# KiCad board Lynx-MK1-MEM.kicad_pcb
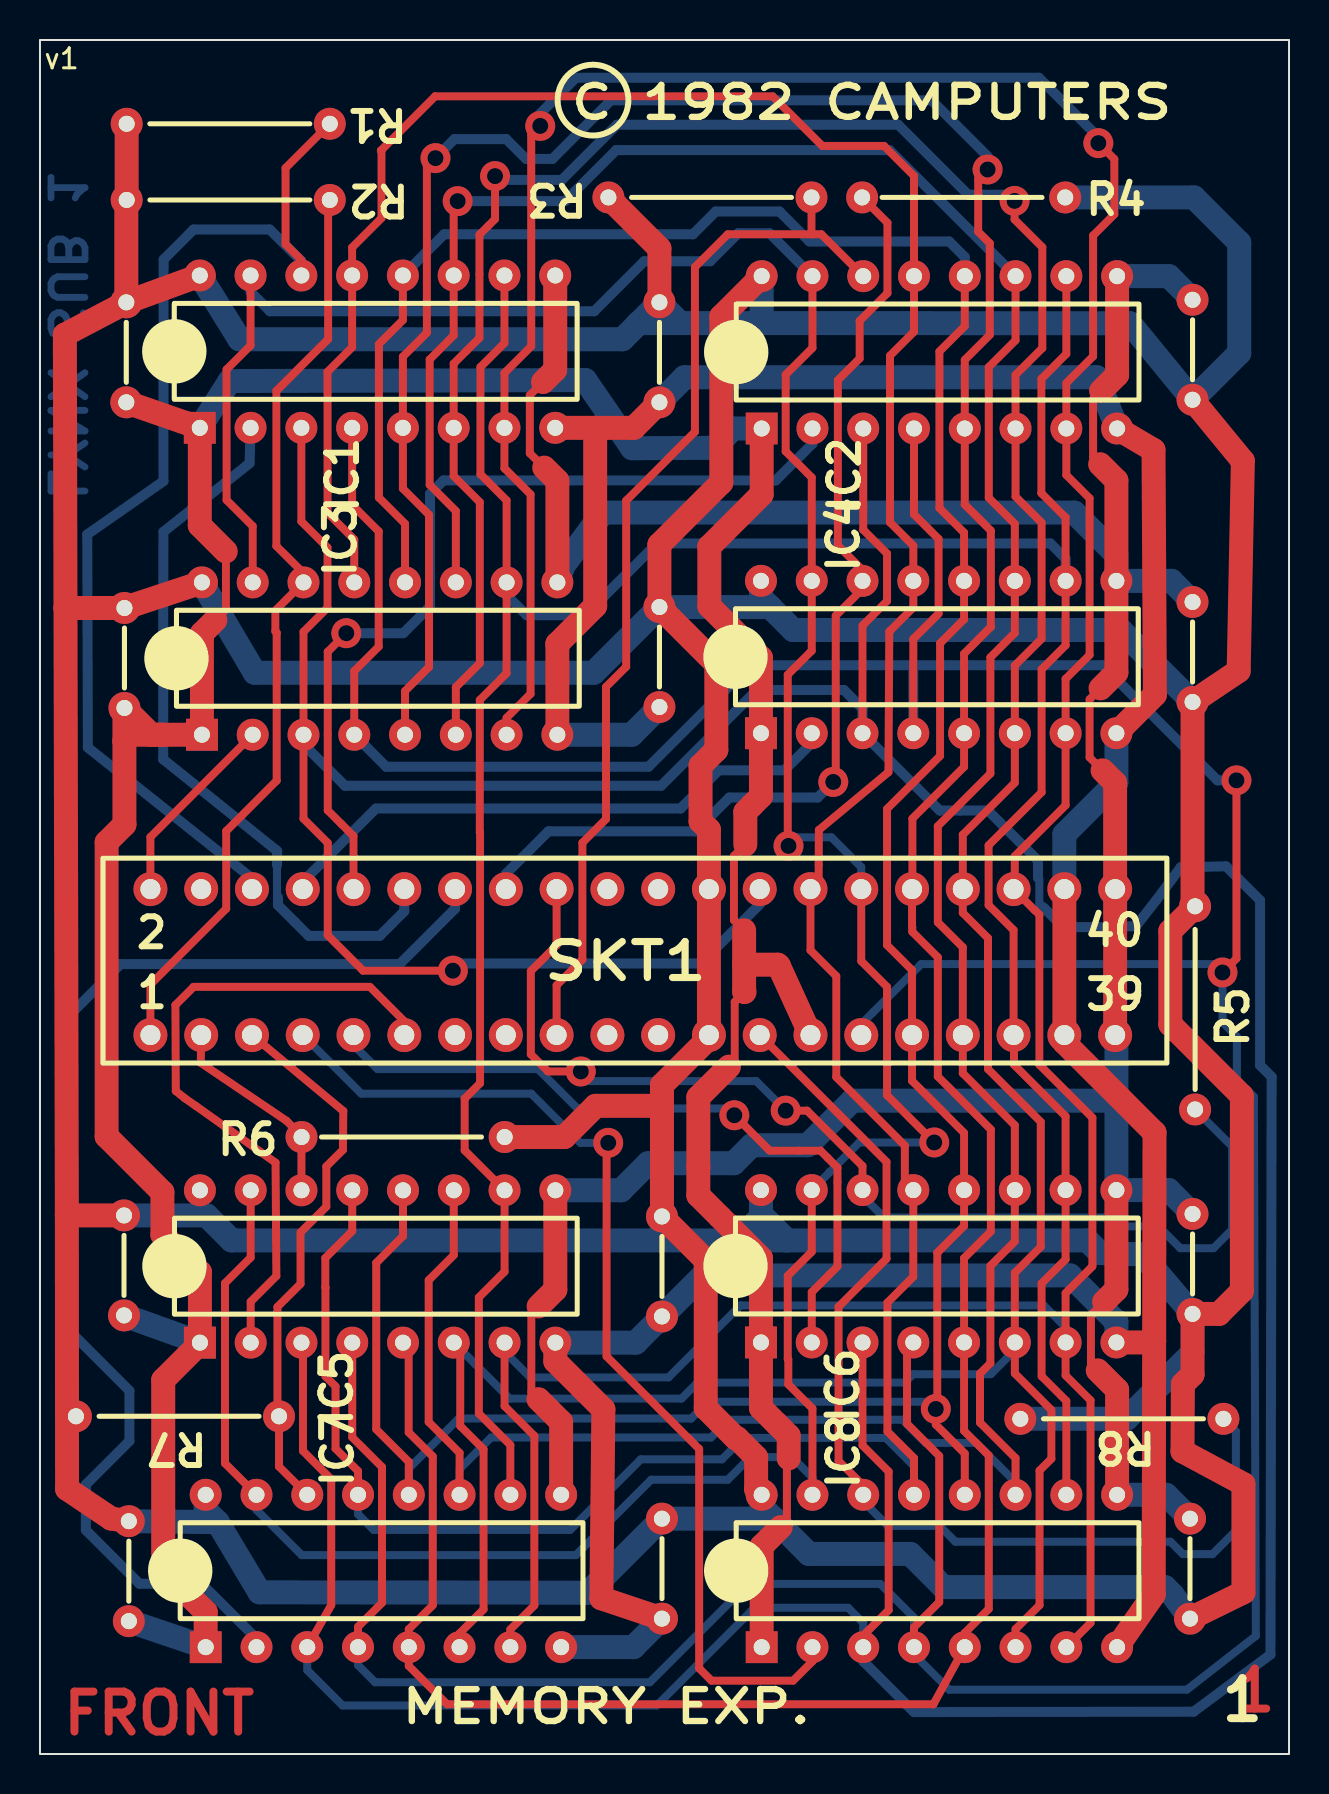
[diagram p0: board, top side]
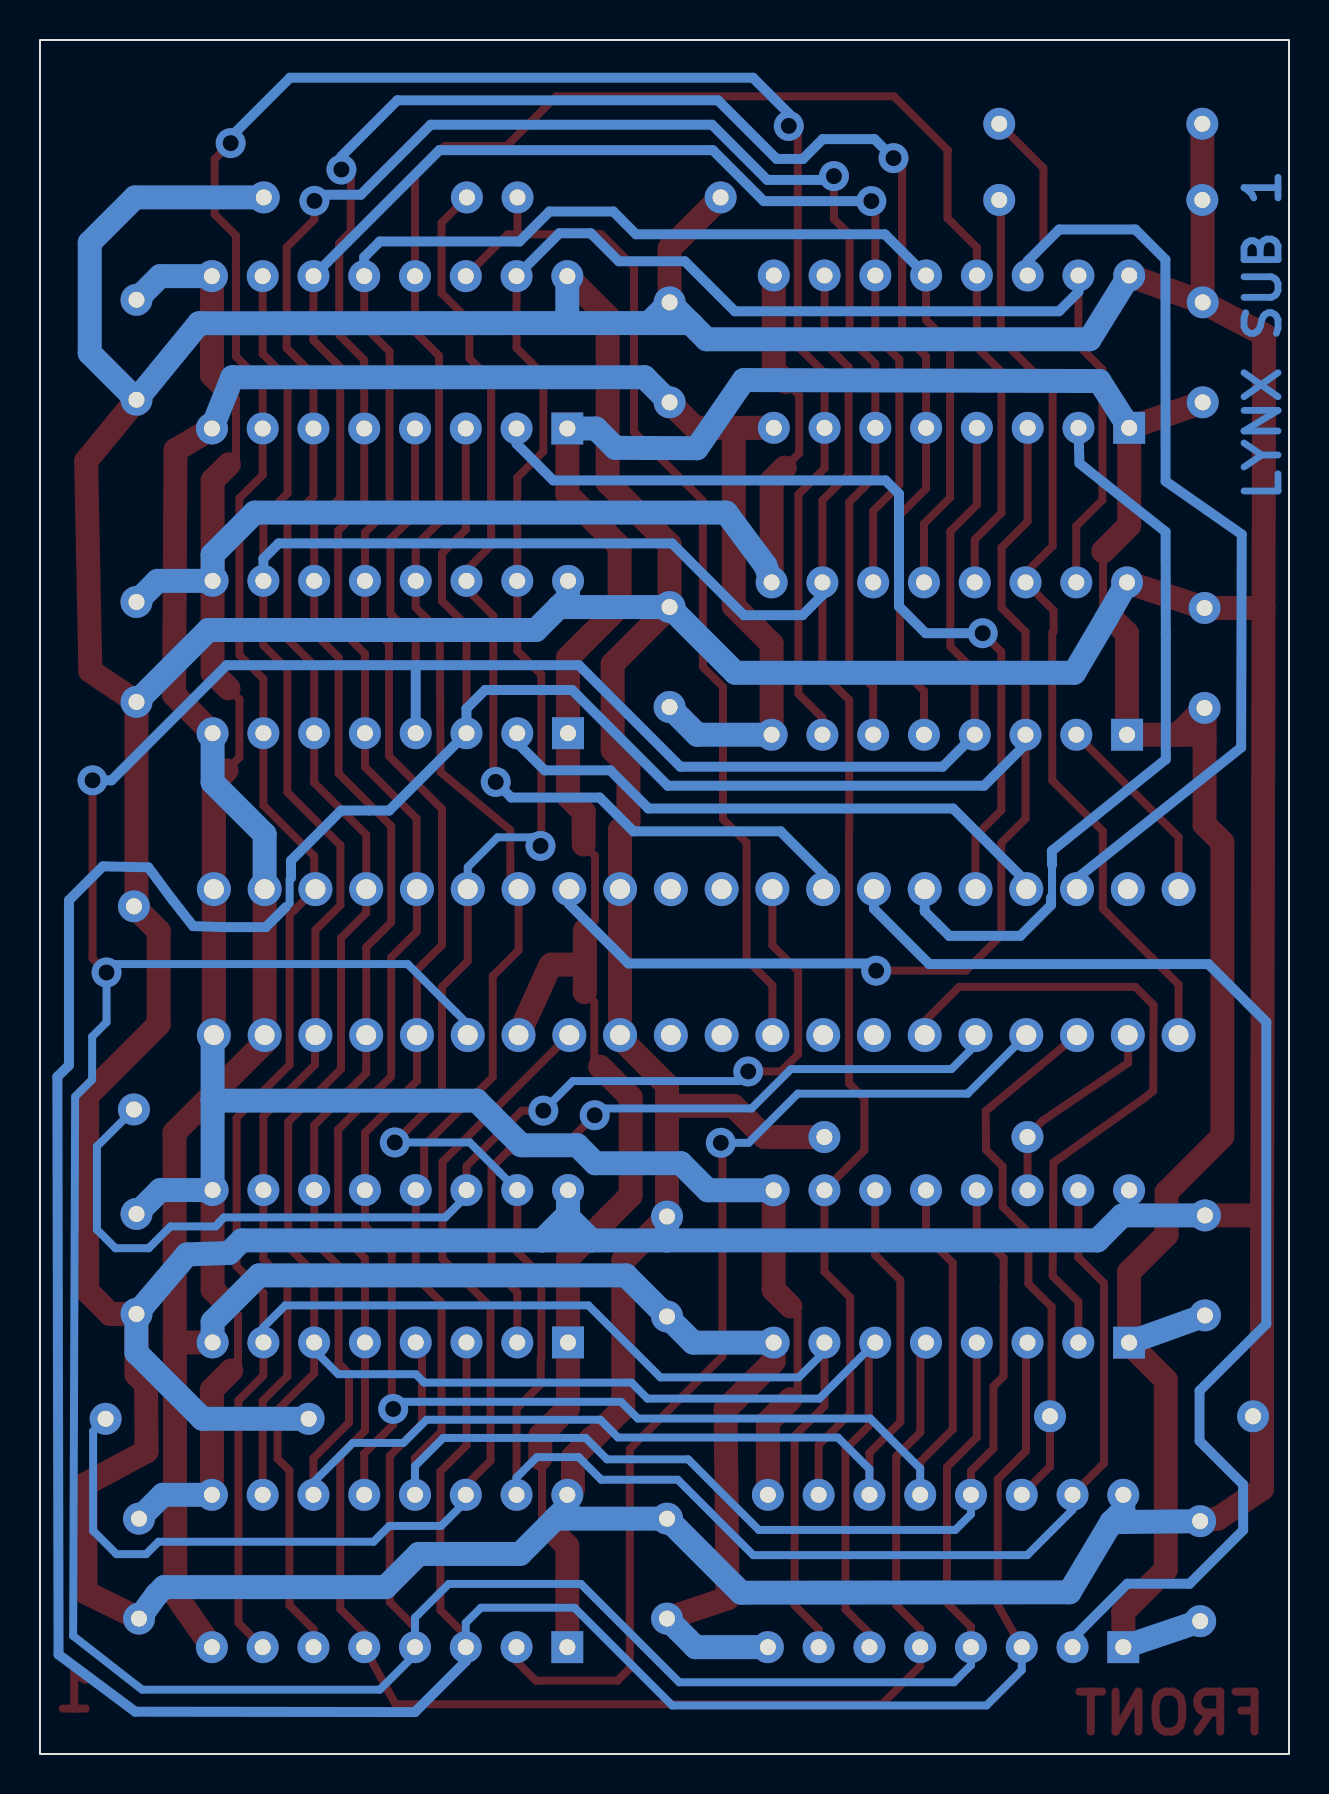
[diagram p1: board, bottom side, seen from below]

Outline 62.48 x 85.73 mm; copper layers: Top, Bottom. Coordinates in mm from the lower left corner of the outline.
Outline path: rectangle 0,85.73 62.48,0

## Placement (name value [footprint] x y rotation side)
C1  47nF  [C_Disc_P5.00mm]  4.45 6.64 90 top
C2  47nF  [C_Disc_P5.00mm]  4.2 21.94 90 top
C3  47nF  [C_Disc_P5.00mm]  4.23 52.32 90 top
C4  47nF  [C_Disc_P5.00mm]  4.32 67.6 90 top
C5  47nF  [C_Disc_P5.00mm]  31.12 6.77 90 top
C6  47nF  [C_Disc_P5.00mm]  31.12 21.88 90 top
C7  47nF  [C_Disc_P5.00mm]  30.99 52.36 90 top
C8  47nF  [C_Disc_P5.00mm]  30.99 67.6 90 top
C9  47nF  [C_Disc_P5.00mm]  57.53 11.77 270 top
C10  47nF  [C_Disc_P5.00mm]  57.66 27.01 270 top
C11  47nF  [C_Disc_P5.00mm]  57.66 57.62 270 top
C12  47nF  [C_Disc_P5.00mm]  57.66 72.73 270 top
IC1  4116  [DIP-16_W7.62mm]  8 66.33 90 top
IC2  4116  [DIP-16_W7.62mm]  36.1 66.29 90 top
IC3  4116  [DIP-16_W7.62mm]  8.1 50.98 90 top
IC4  4116  [DIP-16_W7.62mm]  36.07 51.05 90 top
IC5  4116  [DIP-16_W7.62mm]  8 20.57 90 top
IC6  4116  [DIP-16_W7.62mm]  36.07 20.58 90 top
IC7  4116  [DIP-16_W7.62mm]  8.29 5.34 90 top
IC8  4116  [DIP-16_W7.62mm]  36.1 5.34 90 top
PL4  SYSTEM  [PinHeader_40_WIDE]  5.53 35.96 90 top
R1  1K  [R_Axial_P10.16mm]  14.5 81.53 180 top
R2  1K  [R_Axial_P10.16mm]  14.5 77.72 180 top
R3  1K  [R_Axial_P10.16mm]  38.59 77.85 180 top
R4  1K  [R_Axial_P10.16mm]  41.13 77.85 0 top
R5  1K  [R_Axial_P10.16mm]  57.78 32.24 90 top
R6  1K  [R_Axial_P10.16mm]  13.09 30.86 0 top
R7  1K  [R_Axial_P10.16mm]  11.96 16.89 180 top
R8  1K  [R_Axial_P10.16mm]  59.2 16.76 180 top

## Library data of the parts
C1-C12 = -: Description: Unpolarized capacitor
PL4 = -: Description: Generic connector, double row, 02x20, odd/even pin numbering scheme (row 1 odd numbers, row 2 even numbers), script generated (kicad-library-utils/schlib/autogen/connector/)
R1-R8 = -: Description: Resistor

## Footprints (pads in the part's own frame, mm; a bottom-side part is the same pattern mirrored in y, then rotated)
C_Disc_P5.00mm
  round 1.6 hole 0.8: 1(0,0) 2(5,0)
DIP-16_W7.62mm
  rect 1.6x1.6 hole 0.8: 1(0,0)
  oval 1.6x1.6 hole 0.8: 2(0,-2.54) 3(0,-5.08) 4(0,-7.62) 5(0,-10.16) 6(0,-12.7) 7(0,-15.24) 8(0,-17.78) 9(7.62,-17.78) 10(7.62,-15.24) 11(7.62,-12.7) 12(7.62,-10.16) 13(7.62,-7.62) 14(7.62,-5.08) 15(7.62,-2.54) 16(7.62,0)
PinHeader_40_WIDE
  round 1.7 hole 1: 1(0,0) 2(7.3,0) 3(0,-2.54) 4(7.3,-2.54) 5(0,-5.08) 6(7.3,-5.08) 7(0,-7.62) 8(7.3,-7.62) 9(0,-10.16) 10(7.3,-10.16) 11(0,-12.7) 12(7.3,-12.7) 13(0,-15.24) 14(7.3,-15.24) 15(0,-17.78) 16(7.3,-17.78) 17(0,-20.32) 18(7.3,-20.32) 19(0,-22.86) 20(7.3,-22.86) 21(0,-25.4) 22(7.3,-25.4) 23(0,-27.94) 24(7.3,-27.94) 25(0,-30.48) 26(7.3,-30.48) 27(0,-33.02) 28(7.3,-33.02) 29(0,-35.56) 30(7.3,-35.56) 31(0,-38.1) 32(7.3,-38.1) 33(0,-40.64) 34(7.3,-40.64) 35(0,-43.18) 36(7.3,-43.18) 37(0,-45.72) 38(7.3,-45.72) 39(0,-48.26) 40(7.3,-48.26)
R_Axial_P10.16mm
  round 1.6 hole 0.8: 1(0,0)
  oval 1.6x1.6 hole 0.8: 2(10.16,0)

## Nets
+5V: C9.1 C10.1 C11.1 C12.1 IC1.9 IC2.9 IC3.9 IC4.9 IC5.9 IC6.9 IC7.9 IC8.9 PL4.39 PL4.40
+12V: C5.1 C6.1 C7.1 C8.1 IC1.8 IC2.8 IC3.8 IC4.8 IC5.8 IC6.8 IC7.8 IC8.8 PL4.37 PL4.38
-5V: C1.1 C2.1 C3.1 C4.1 IC1.1 IC2.1 IC3.1 IC4.1 IC5.1 IC6.1 IC7.1 IC8.1 PL4.27
GND: C1.2 C2.2 C3.2 C4.2 C5.2 C6.2 C7.2 C8.2 C9.2 C10.2 C11.2 C12.2 IC1.16 IC2.16 IC3.16 IC4.16 IC5.16 IC6.16 IC7.16 IC8.16 PL4.23 PL4.24 R1.2 R2.2 R3.2 R4.2 R5.2 R6.2 R7.2 R8.2
/A0: IC1.7 IC2.7 IC3.7 IC4.7 IC5.7 IC6.7 IC7.7 IC8.7 PL4.36
/A1: IC1.10 IC2.10 IC3.10 IC4.10 IC5.10 IC6.10 IC7.10 IC8.10 PL4.35
/A2: IC1.6 IC2.6 IC3.6 IC4.6 IC5.6 IC6.6 IC7.6 IC8.6 PL4.34
/A3: IC1.12 IC2.12 IC3.12 IC4.12 IC5.12 IC6.12 IC7.12 IC8.12 PL4.31
/A4: IC1.11 IC2.11 IC3.11 IC4.11 IC5.11 IC6.11 IC7.11 IC8.11 PL4.33
/A5: IC1.5 IC2.5 IC3.5 IC4.5 IC5.5 IC6.5 IC7.5 IC8.5 PL4.32
/A6: IC1.13 IC2.13 IC3.13 IC4.13 IC5.13 IC6.13 IC7.13 IC8.13 PL4.28
/DI0: IC3.2 PL4.2
/DI1: IC4.2 PL4.8
/DI2: IC8.2 PL4.7
/DI3: IC2.2 PL4.10
/DI4: IC6.2 PL4.9
/DI5: IC5.2 PL4.11
/DI6: IC1.2 PL4.12
/DI7: IC7.2 PL4.14
/DO0: IC3.14 PL4.1 R2.1
/DO1: IC4.14 PL4.16 R4.1
/DO2: IC8.14 PL4.25 R8.1
/DO3: IC2.14 PL4.17 R3.1
/DO4: IC6.14 PL4.18 R5.1
/DO5: IC5.14 PL4.3 R6.1
/DO6: IC1.14 PL4.6 R1.1
/DO7: IC7.14 PL4.5 R7.1
~{CAS}: IC1.15 IC2.15 IC3.15 IC4.15 IC5.15 IC6.15 IC7.15 IC8.15 PL4.30
~{RAS}: IC1.4 IC2.4 IC3.4 IC4.4 IC5.4 IC6.4 IC7.4 IC8.4 PL4.29
~{WR}: IC1.3 IC2.3 IC3.3 IC4.3 IC5.3 IC6.3 IC7.3 IC8.3 PL4.26

Pads without a net: PL4 4 13 15 19 20 21 22

## Via types
v1: diameter 1.5, hole 0.8, Top to Bottom, 19 vias

## Routing (per net, layer and track width the routed paths; a pad name or vN(x,y) marks a point on that pad's centre or on a via; arc(x,y) is an arc through that point)
+5V: length 175.8
  Top w0.4: 53.03,64.51 52.68,64.86 52.68,67.78 53.09,68.18 ; 53.24,22.62 52.57,21.96 52.57,19.53 52.91,19.19 ; 53.16,49.2 52.51,49.84 52.51,52.75 53.06,53.3 ; 24.95,22.39 24.58,22.02 24.58,18.1 24.94,17.75 ; 25.17,68.62 24.5,67.96 24.5,65.06 25.23,64.34
  Top w1.2: 53.06,53.3 53.85,54.09 IC4.9 53.85,63.69 53.03,64.51 ; IC1.9 25.78,69.23 25.17,68.62 ; 52.91,19.19 53.88,18.22 53.88,12.96 ; 53.16,49.2 53.78,48.57 PL4.40 PL4.39 ; 53.09,68.18 53.88,68.98 IC2.9 ; 24.95,22.39 25.78,23.22 IC5.9 ; 25.23,64.34 25.88,63.68 IC3.9 ; 53.24,22.62 53.85,23.23 53.85,28.2 ; 26.07,12.96 26.07,16.61 24.94,17.75
  Bottom w1.2: C12.1 56.47,73.91 IC2.9 ; 53.85,32.68 53.85,35.89 PL4.39 ; 53.85,32.68 40.64,32.68 38.41,30.45 35.61,30.45 34.7,29.55 30.42,29.55 29.07,28.19 IC5.9 ; 53.85,32.68 53.85,28.2 56.47,28.2 C10.1 ; IC3.9 26.2,59.45 28.16,62.09 51.75,62.09 53.85,59.98 IC4.9 56.6,58.67 C11.1 ; 53.88,12.96 56.34,12.96 C9.1
+12V: length 175
  Top w1.2: C8.1 29.71,66.33 27.78,66.33 ; 55.74,20.66 55.72,7.98 IC8.8 ; 55.74,20.66 55.75,31.08 51.25,35.59 PL4.37 PL4.38 ; 55.74,20.66 55.66,20.58 IC6.8 ; IC1.8 27.78,66.33 ; 27.78,66.33 27.78,57.42 25.88,55.52 IC3.8 ; C5.1 28.09,7.79 28.19,17.24 25.78,19.64 IC5.8 ; IC4.8 55.78,52.98 55.71,65.22 IC2.8
  Bottom w1.2: IC2.8 52.87,68.86 32.24,68.86 C8.1 ; IC3.8 29.6,50.98 C7.1 ; IC5.8 29.81,20.57 C6.1 33.17,23.94 51.53,23.94 53.85,21.61 IC6.8 ; IC4.8 53.85,48.6 51.25,46 PL4.38 ; IC7.8 29.69,5.34 C5.1
-5V: length 190.2
  Top w0.4: 35.28,45.49 34.72,44.92 34.72,41.71 35.23,41.2 ; 35.25,38.11 34.75,37.62 34.75,34.67 34.47,34.38 ; 9.3,60.15 9.3,60.14 9.3,57.24 8.78,56.72 ; 37.45,14.79 37.37,14.7 37.37,11.66 37.06,11.35
  Top w1.2: 4.23,50.67 4.54,50.98 6.16,50.98 ; 4.23,50.67 4.23,46.49 3.34,45.6 3.34,30.89 6.12,28.1 6.12,25.98 8,24.1 IC5.1 8,20.54 6.17,18.71 6.17,9.23 8.29,7.1 IC7.1 ; 4.23,50.67 C3.1 5.56,50.98 6.16,50.98 ; 6.16,50.98 IC3.1 8.1,56.04 8.78,56.72 ; 34.47,34.38 32.94,32.85 32.94,27.94 36.07,24.8 IC6.1 36.07,17.3 37.45,15.92 37.45,14.79 ; 35.23,39.48 35.23,38.13 35.25,38.11 ; 35.23,39.48 36.91,39.48 36.97,39.42 PL4.27 ; 35.23,39.48 35.23,41.2 ; 35.28,45.49 35.28,47.12 36.07,47.9 IC4.1 36.07,54.82 33.48,57.41 33.48,60.39 36.1,63.01 IC2.1 ; IC8.1 36.1,10.4 37.06,11.35 ; C4.1 IC1.1 8,61.45 9.3,60.15
  Bottom w1.2: IC2.1 34.67,66.29 33.7,65.33 29.62,65.31 27.28,68.72 9.48,68.67 IC1.1 ; C1.1 IC7.1 ; C2.1 IC5.1
GND: length 511.9
  Top w1.2: C4.2 1.25,70.99 1.28,57.33 ; C4.2 IC1.16 ; C4.2 4.32,77.7 R2.2 R1.2 ; R6.2 26.23,30.86 27.8,32.42 31.12,32.42 ; 36.1,12.96 35.83,13.24 35.83,14.85 34.87,15.8 34.81,15.8 33.31,17.3 33.31,24.69 C6.2 31.12,32.42 ; 1.28,57.33 1.34,26.94 ; 1.28,57.33 1.29,57.32 C3.2 IC3.16 ; C12.2 60.18,64.67 59.97,54.17 C11.2 57.66,42.53 R5.2 56.55,41.16 56.55,36.5 60.12,32.92 60.12,23.16 58.98,22.01 C10.2 57.66,18.98 57.18,18.5 57.16,15.14 60.21,13.5 60.21,8.09 C9.2 ; 1.34,26.94 1.36,13.26 3.56,11.78 C1.2 ; 1.34,26.94 C2.2 ; C8.2 30.99,75.3 R3.2 ; 31.12,32.42 31.12,33.46 33.47,35.81 PL4.23 PL4.24 33.47,46.23 33.05,46.65 33.05,49.43 33.84,50.22 33.84,54.52 C7.2 30.99,60.49 34.09,63.59 34.09,71.9 IC2.16
  Bottom w1.2: R4.2 57.73,77.85 60,75.59 60,70.07 C12.2 54.53,71.56 36.14,71.57 ; 8.89,11.6 10.98,8.09 27.41,8.07 C5.2 36.7,11.77 ; 8.89,11.6 C1.2 ; 8.89,11.6 8.29,12.19 8.29,12.96 ; C2.2 8.34,26.94 9.59,25.69 31.14,25.69 ; C11.2 54.06,56.22 37.67,56.22 36.53,57.36 ; 37.37,25.69 36.07,26.98 36.07,28.2 36.07,26.86 34.89,25.69 ; 37.37,25.69 34.89,25.69 ; 37.37,25.69 52.39,25.69 53.03,25.06 55.12,24.99 C10.2 57.66,20.07 54.35,16.76 R8.2 ; 34.89,25.69 31.14,25.69 ; 32.03,71.57 C8.2 29.87,71.49 ; 32.03,71.57 36.14,71.57 ; 32.03,71.57 29.95,71.57 29.87,71.49 ; 36.53,57.36 C7.2 27.7,54.08 10.75,54.08 9.16,56.77 IC3.16 ; 36.53,57.36 36.07,57.82 IC4.16 ; C9.2 56.66,7.97 56.28,8.35 45.2,8.35 43.53,10.01 38.47,10.01 36.7,11.77 ; 36.14,71.57 36.1,71.61 IC2.16 ; 36.7,11.77 36.1,12.37 36.1,12.96 ; 29.87,71.49 29.14,70.76 9.98,70.76 IC1.16 ; C6.2 31.12,25.71 31.14,25.69
/A0: length 193
  Top w0.4: IC3.7 23.34,51.82 24.54,53.02 24.54,63 23.23,64.31 IC1.7 23.23,69.07 24.58,70.41 24.58,80.98 v1(25.03,81.43) ; v1(52.94,80.57) 53.75,79.77 53.75,77.01 52.68,75.95 52.68,69.91 51.34,68.57 IC2.7 51.34,63.97 52.51,62.8 52.51,54.97 51.31,53.77 IC4.7 51.31,47.45 48.77,44.91 48.77,43.32 PL4.36 49.75,42.22 49.75,42.22 50,41.98 50,34.48 52.65,31.82 52.65,24.39 51.31,23.05 IC6.7 51.31,18.93 52.56,17.69 52.56,6.56 IC8.7 ; IC7.7 23.53,6.23 24.73,7.43 24.73,15.91 23.24,17.4 IC5.7
  Bottom w0.4: IC5.7 23.24,20.12 24.53,18.84 31.45,18.84 35.05,22.44 50.22,22.44 51.31,21.34 IC6.7
  Bottom w0.5: v1(25.03,81.43) 25.03,82.05 26.81,83.84 49.98,83.84 52.94,80.87 v1(52.94,80.57)
/A1: length 163
  Top w0.4: IC1.10 23.23,70.57 22.03,69.37 22.03,64.01 23.34,62.7 IC3.10 23.34,54.05 22,52.71 22,46.1 22.02,46.09 22.02,33.55 21.25,32.78 21.25,30.19 IC5.10 23.24,24.12 21.95,22.84 21.95,17.03 23.53,15.45 23.53,12.96 ; 51.34,12.96 51.34,17.66 50.11,18.89 50.11,23.54 51.31,24.74 51.31,31.89 48.73,34.48 48.73,35.94 PL4.35 48.7,41.21 47.45,42.46 47.45,45.45 50.11,48.1 50.11,54.25 51.31,55.45 IC4.10 51.31,61.84 50.09,63.06 50.09,68.78 51.34,70.03 IC2.10
  Bottom w0.5: IC3.10 23.34,57.96 24.34,56.96 27.28,56.96 30.87,60.55 50.55,60.55 51.31,59.78 IC4.10
/A2: length 184.9
  Top w0.4: v1(22.77,78.92) 22.77,76.77 21.98,75.99 21.98,70.83 20.7,69.54 IC1.6 20.7,63.92 22,62.61 22,54.55 20.8,53.35 IC3.6 ; IC8.6 48.8,6.25 50,7.45 50,14.18 50.59,14.77 50.59,17.21 48.77,19.03 IC6.6 48.77,24.07 50.06,25.37 50.06,31.62 47.42,34.26 47.42,40.81 46.17,42.07 PL4.34 46.17,45.98 48.77,48.58 IC4.6 48.77,54.44 50.11,55.78 50.11,61.58 48.8,62.89 IC2.6 48.8,68.98 50.14,70.32 50.14,75.36 48.75,76.75 v1(48.75,77.68) ; IC7.6 20.99,6.03 22.19,7.23 22.19,15.24 21.03,16.41 21.03,20.25 IC5.6
  Bottom w0.4: IC6.6 48.77,20.2 47.56,19 43.69,19 43.27,18.58 32.89,18.58 32.09,17.78 23.5,17.78 21.78,19.49 21.78,19.49 IC5.6
  Bottom w0.5: v1(48.75,77.68) 48.45,77.99 46.44,77.99 42.94,81.49 28.87,81.49 26.11,78.73 22.95,78.73 v1(22.77,78.92)
/A3: length 159.8
  Top w0.4: IC3.12 18.26,61.53 16.95,62.84 16.95,70.52 18.16,71.72 IC1.12 ; 18.45,12.96 18.45,14.61 16.82,16.24 16.82,24.56 18.16,25.9 IC5.12 ; IC2.12 46.26,71.42 45,70.15 45,62.32 46.23,61.08 IC4.12 46.23,56.75 45.03,55.55 45.03,49.92 42.38,47.27 42.38,40.46 43.62,39.21 PL4.31 43.62,33.67 46.23,31.06 46.23,26.41 44.89,25.07 44.89,17.33 v1(44.81,17.26) 44.81,16.48 46.26,15.03 46.26,12.96
  Bottom w0.4: 18.45,12.96 18.45,14.28 20.95,16.78 32.58,16.78 33.42,17.62 44.45,17.62 v1(44.81,17.26)
  Bottom w0.5: IC1.12 20.22,76.01 32.67,76.01 33.81,77.15 37,77.15 38.5,75.65 45.48,75.65 46.26,74.87 IC2.12
/A4: length 166.9
  Top w0.4: 48.8,12.96 48.8,14.8 47.03,16.58 47.03,19.03 47.55,19.55 47.55,24.42 48.77,25.64 48.77,31.44 46.17,34.05 PL4.33 46.17,40.35 44.92,41.6 44.92,46.41 47.55,49.04 47.55,54.85 48.77,56.07 IC4.11 48.77,61.52 47.46,62.83 47.46,69.37 48.8,70.71 IC2.11 ; IC3.11 20.8,62.17 19.5,63.48 19.5,69.75 20.7,70.95 IC1.11 20.7,77.47 v1(20.89,77.67) ; 20.99,12.96 20.99,15.06 19.45,16.61 19.45,23.7 20.7,24.95 IC5.11
  Bottom w0.4: 48.8,12.96 48.8,13.59 46.84,15.56 44.31,15.56 43.14,16.72 34.45,16.72 33.56,15.83 22.56,15.83 20.99,14.25 20.99,12.96
  Bottom w0.5: v1(20.89,77.67) 26.28,77.67 28.83,80.22 42.5,80.22 IC2.11
/A5: length 189.8
  Top w0.4: v1(19.78,79.82) 19.36,79.39 19.36,71.09 18.16,69.89 IC1.5 18.16,63.29 19.46,61.98 19.46,54.36 18.26,53.16 IC3.5 ; IC5.5 18.45,20.29 18.45,16.09 19.65,14.88 19.65,7.44 18.45,6.24 IC7.5 18.45,4.4 20.37,2.49 44.7,2.49 IC8.5 46.26,6.06 47.46,7.26 47.46,14.93 46.23,16.16 IC6.5 46.23,24.8 47.57,26.14 47.57,31.23 44.92,33.89 44.92,39.85 43.64,41.13 43.64,41.36 43.62,41.37 PL4.32 43.64,43.28 43.64,46.79 46.23,49.37 IC4.5 46.23,55.03 47.57,56.37 47.57,61.18 46.26,62.49 IC2.5 46.26,69.73 47.52,70.98 47.52,75.56 46.94,76.14 46.94,78.78 v1(47.41,79.25)
  Bottom w0.5: v1(19.78,79.82) 20.73,80.77 23.33,80.77 24.31,79.78 25.64,79.78 28.56,82.71 44.61,82.71 47.41,79.91 v1(47.41,79.25)
/A6: length 174.9
  Top w0.4: 43.72,12.96 43.72,14.8 42.39,16.13 42.39,22.58 43.69,23.87 43.69,28.2 43.36,28.2 43.27,28.3 43.27,30.43 39.84,33.86 39.84,38.91 38.55,40.2 PL4.28 38.95,43.67 38.95,44.48 38.97,46.22 42.45,49.11 42.49,56.14 43.69,57.34 IC4.13 43.69,60.43 42.52,61.6 42.52,69.94 43.72,71.14 IC2.13 43.72,78.93 42.23,80.43 39.14,80.43 36.66,82.91 19.77,82.91 17.06,80.2 17.09,80.17 17.09,76.82 15.62,75.35 IC1.13 15.62,70.36 14.39,69.13 14.39,62.08 15.72,60.74 IC3.13 ; IC5.13 15.62,26.15 14.28,24.81 14.28,23.34 14.28,23.33 14.28,18.89 14.78,18.39 14.78,15.28 15.91,14.15 15.91,12.96
  Bottom w0.4: 43.72,12.96 43.72,14.4 42.31,15.81 35.19,15.81 34.12,14.74 30.06,14.74 26.53,11.21 16.7,11.21 15.91,11.99 15.91,12.96
/DI0: length 9.8
  Top w0.4: IC3.2 5.53,45.86 PL4.2
/DI1: length 29.2
  Bottom w0.5: IC4.2 38.61,50.57 37.23,49.2 33.95,49.2 32.05,47.29 16.81,47.29 13.14,43.63 PL4.8
/DI2: length 52.8
  Top w0.4: IC8.2 38.64,4.64 37.67,3.67 33.59,3.67 32.98,4.29 32.98,15.26 28.34,19.89 28.34,30.49 v1(28.42,30.57)
  Bottom w0.4: v1(28.42,30.57) 27.03,30.57 24.58,33.03 16.08,33.03 PL4.7
/DI3: length 45
  Top w0.4: v1(15.33,56.06) 14.39,55.13 14.39,47.2 15.69,45.91 PL4.10
  Bottom w0.5: IC2.2 38.64,65.54 36.81,63.7 20.19,63.7 19.51,63.02 19.51,57.39 18.17,56.06 v1(15.33,56.06)
/DI4: length 36.5
  Top w0.4: v1(34.73,31.95) 36.5,30.18 39.05,30.18 39.89,29.33 39.89,24.39 38.61,23.1 IC6.2
  Bottom w0.4: v1(34.73,31.95) 34.39,32.29 26.89,32.29 24.92,34.26 16.89,34.26 15.69,35.46 PL4.9
/DI5: length 33.2
  Top w0.4: IC5.2 10.54,22.62 11.83,23.91 11.78,29.58 7.81,32.41 7.25,32.8 6.8,33.16 6.78,37.46 7.69,38.37 16.5,38.37 18.23,36.65 PL4.11
/DI6: length 37.3
  Bottom w0.4: 11.91,42.84 11.86,42.89 11.86,44.46
  Bottom w0.5: IC1.2 10.48,64.56 9.23,63.56 6.17,61.13 6.17,56.11 6.17,49.75 11.87,45.17 11.86,44.46 ; 11.91,42.84 11.91,42.46 13.45,40.92 17,40.92 18.23,42.15 PL4.12
/DI7: length 61.9
  Bottom w0.5: PL4.14 20.77,42.28 18,39.51 4.03,39.51 1.14,36.61 1.14,21.51 4.48,18.17 4.48,15.66 2.3,13.48 2.3,11.2 4.98,8.52 8.09,8.52 10.83,5.77 IC7.2
/DO0: length 46.7
  Top w0.4: PL4.1 5.53,38.49 9.31,42.28 9.31,46.16 11.84,48.68 11.84,56.08 11.78,56.15 11.78,57.19 IC3.14 13.18,59.06 11.83,60.42 11.83,68.18 14.42,70.77 14.42,77.64 R2.1
/DO1: length 50.9
  Top w0.4: R4.1 42.39,76.58 42.39,73.07 41,71.68 41,69.8 39.92,68.71 39.92,60.45 41.15,59.21 IC4.14 41.15,58.27 39.81,56.93 39.81,48.74 v1(39.69,48.62)
  Bottom w0.5: v1(39.69,48.62) 38.91,47.84 34.48,47.84 32.8,46.15 25.44,46.15 23.31,44.02 PL4.16
/DO2: length 53.5
  Top w0.4: PL4.25 42.35,29.61 42.35,24.77 39.95,22.37 39.95,14.66 41.18,13.43 41.18,12.96
  Bottom w0.4: R8.1 59.82,16.14 59.82,11.17 58.66,10 57.18,10 56.56,10.62 45.8,10.62 45,11.41 42.42,11.41 41.18,12.64 41.18,12.96
/DO3: length 53.1
  Top w0.4: 38.61,76.01 38.59,76.02 R3.1 ; 38.61,76.01 34.41,76.01 32.77,74.37 32.77,66.13 29.33,62.69 29.33,54.38 28.31,53.37 28.31,46.76 27.14,45.58 27.14,39.74 25.84,38.45 PL4.17 ; 38.61,76.01 39.09,76.01 IC2.14
/DO4: length 56
  Top w0.4: 41.15,28.2 41.15,29.4 38.38,32.18 v1(37.31,32.18) ; v1(27.06,34.14) 25.42,34.14 24.56,35 24.56,39.16 25.84,40.45 PL4.18
  Bottom w0.4: v1(27.06,34.14) 27.53,33.66 35.83,33.66 v1(37.31,32.18) ; R5.1 59.63,30.39 59.63,26.23 58.71,25.3 57.05,25.3 55.96,26.39 53.69,26.39 53.53,26.54 53.53,26.58 53.28,26.84 42.22,26.84 41.15,27.9 41.15,28.2
/DO5: length 10.4
  Top w0.4: IC5.14 13.08,30.85 R6.1 13.09,30.92 12.34,31.67 8.05,34.57 PL4.3
/DO6: length 55.1
  Top w0.4: IC1.14 13.08,74.72 12.28,75.51 12.28,79.32 R1.1
  Bottom w0.5: IC1.14 13.08,74.67 11.5,76.25 7.69,76.25 6.19,74.75 6.17,63.66 2.37,61 2.39,50.34 10.61,43.8 PL4.6
/DO7: length 27.1
  Top w0.4: 13.37,12.96 11.96,14.38 R7.1 11.88,16.97 11.88,22.36 13.03,23.52 13.03,26.09 14.33,27.38 14.33,29.39 15.16,30.22 15.17,32.16 PL4.5
~{CAS}: length 170.6
  Top w0.4: PL4.30 41.09,39.66 42.38,38.37 42.38,32.95 v1(44.73,30.59) ; IC3.15 10.64,61.41 9.34,62.72 9.34,69.25 10.53,70.45 IC1.15 ; 38.61,28.2 38.61,25.12 37.41,23.92 37.41,19.76 37.44,19.74 37.44,18.49 38.64,17.28 38.64,12.96 ; IC5.15 10.54,24.83 9.25,23.55 9.25,14.54 10.83,12.96 ; v1(37.45,45.42) 37.41,45.45 37.41,53.98 38.61,55.18 IC4.15 38.61,63.84 37.31,65.15 37.31,68.99 38.64,70.33 IC2.15
  Bottom w0.4: PL4.30 41.09,44.36 39.59,45.85 37.88,45.85 v1(37.45,45.42) ; v1(44.73,30.59) 40.98,30.59 39.5,29.1 39.5,29.09 38.61,28.2 ; 38.64,12.96 38.64,13.83 37.62,14.85 35.53,14.85 34.41,13.72 30.58,13.72 26.81,9.95 13.09,9.95 10.83,12.21 10.83,12.96
  Bottom w0.5: IC1.15 10.53,73.13 11.5,72.16 27.73,72.16 30.23,74.66 33.53,74.66 34.92,76.06 36.5,76.06 IC2.15
~{RAS}: length 234.5
  Top w0.4: IC7.4 15.91,6.36 17.11,7.56 17.11,14.35 15.62,15.84 IC5.4 ; IC6.4 43.38,20.27 43.38,16.52 44.98,14.91 44.98,7.6 43.72,6.34 IC8.4 ; v1(59.85,48.7) 59.85,39.79 v1(59.16,39.09) ; IC1.4 15.62,62.48 16.95,61.15 16.95,55.39 15.72,54.16 IC3.4 ; IC4.4 43.69,55.77 44.95,57.04 44.95,60.77 43.72,62 IC2.4
  Bottom w0.4: PL4.29 41.09,36.51 44.09,39.51 58.74,39.51 v1(59.16,39.09) 59.16,36.6 59.88,35.88 59.88,33.73 60.72,32.88 60.82,5.91 57.38,3.22 45.48,3.22 43.72,4.98 IC8.4 43.72,6.82 42.03,8.51 35.42,8.51 30.5,3.59 16.77,3.59 15.91,4.44 IC7.4
  Bottom w0.5: v1(59.85,48.7) 58.91,48.7 53.15,54.46 43.61,54.46 ; 43.61,54.46 35.53,54.46 30.45,49.38 17.32,49.38 IC3.4 ; 43.61,54.46 43.69,54.37 IC4.4
~{WR}: length 254.6
  Top w0.4: IC2.3 41.18,62.38 41.19,62.38 41.19,61.23 42.38,60.04 42.38,57.67 41.15,56.44 IC4.3 ; IC8.3 41.18,5.93 42.45,7.2 42.45,14.13 41.15,15.43 IC6.3 ; IC1.3 13.08,61.65 14.38,60.34 14.38,57.32 13.18,56.12 IC3.3 13.18,46.78 14.39,45.57 14.39,40.95 16.17,39.18 v1(20.66,39.18) ; IC5.3 13.16,20.5 13.16,15.15 14.57,13.74 14.57,7.45 IC7.3
  Bottom w0.4: IC8.3 41.18,6.56 40.42,7.32 35.75,7.32 30.86,2.43 15.14,2.43 13.37,4.19 IC7.3 ; 49.92,43.82 50,43.75 50,42.55 50.2,42.35
  Bottom w0.5: v1(20.66,39.18) 21.02,39.54 33.05,39.54 36,42.5 PL4.26 ; IC8.3 41.18,4.64 43.73,2.1 57.72,2.12 61.56,4.98 61.62,33.87 61.03,34.45 61.03,42.7 59.34,44.4 57.06,44.35 55.84,42.71 54.82,41.41 53.28,41.36 51.19,41.36 50.2,42.35 ; IC3.3 13.18,50.5 15.25,48.43 31.08,48.43 35.87,53.22 40.22,53.22 41.15,52.28 IC4.3 45.02,47.19 47.42,47.19 49.92,44.69 49.92,43.82

## Text on the board
Bottom: LYNX SUB 1
Top: FRONT | 1
F.Silkscreen: v1 | MEMORY EXP. | C 1982 CAMPUTERS | 1
